# Altium PCB controller_V1.1.PcbDoc (part 6 of 6)
Units mm, origin at the board's own origin, x right, y up, seen from the top; angles counter-clockwise.
Board outline 150 x 150 mm, 2 copper layers (Top Layer, Bottom Layer); 287 components, 242 nets, 1096 pads, 5968 vias.
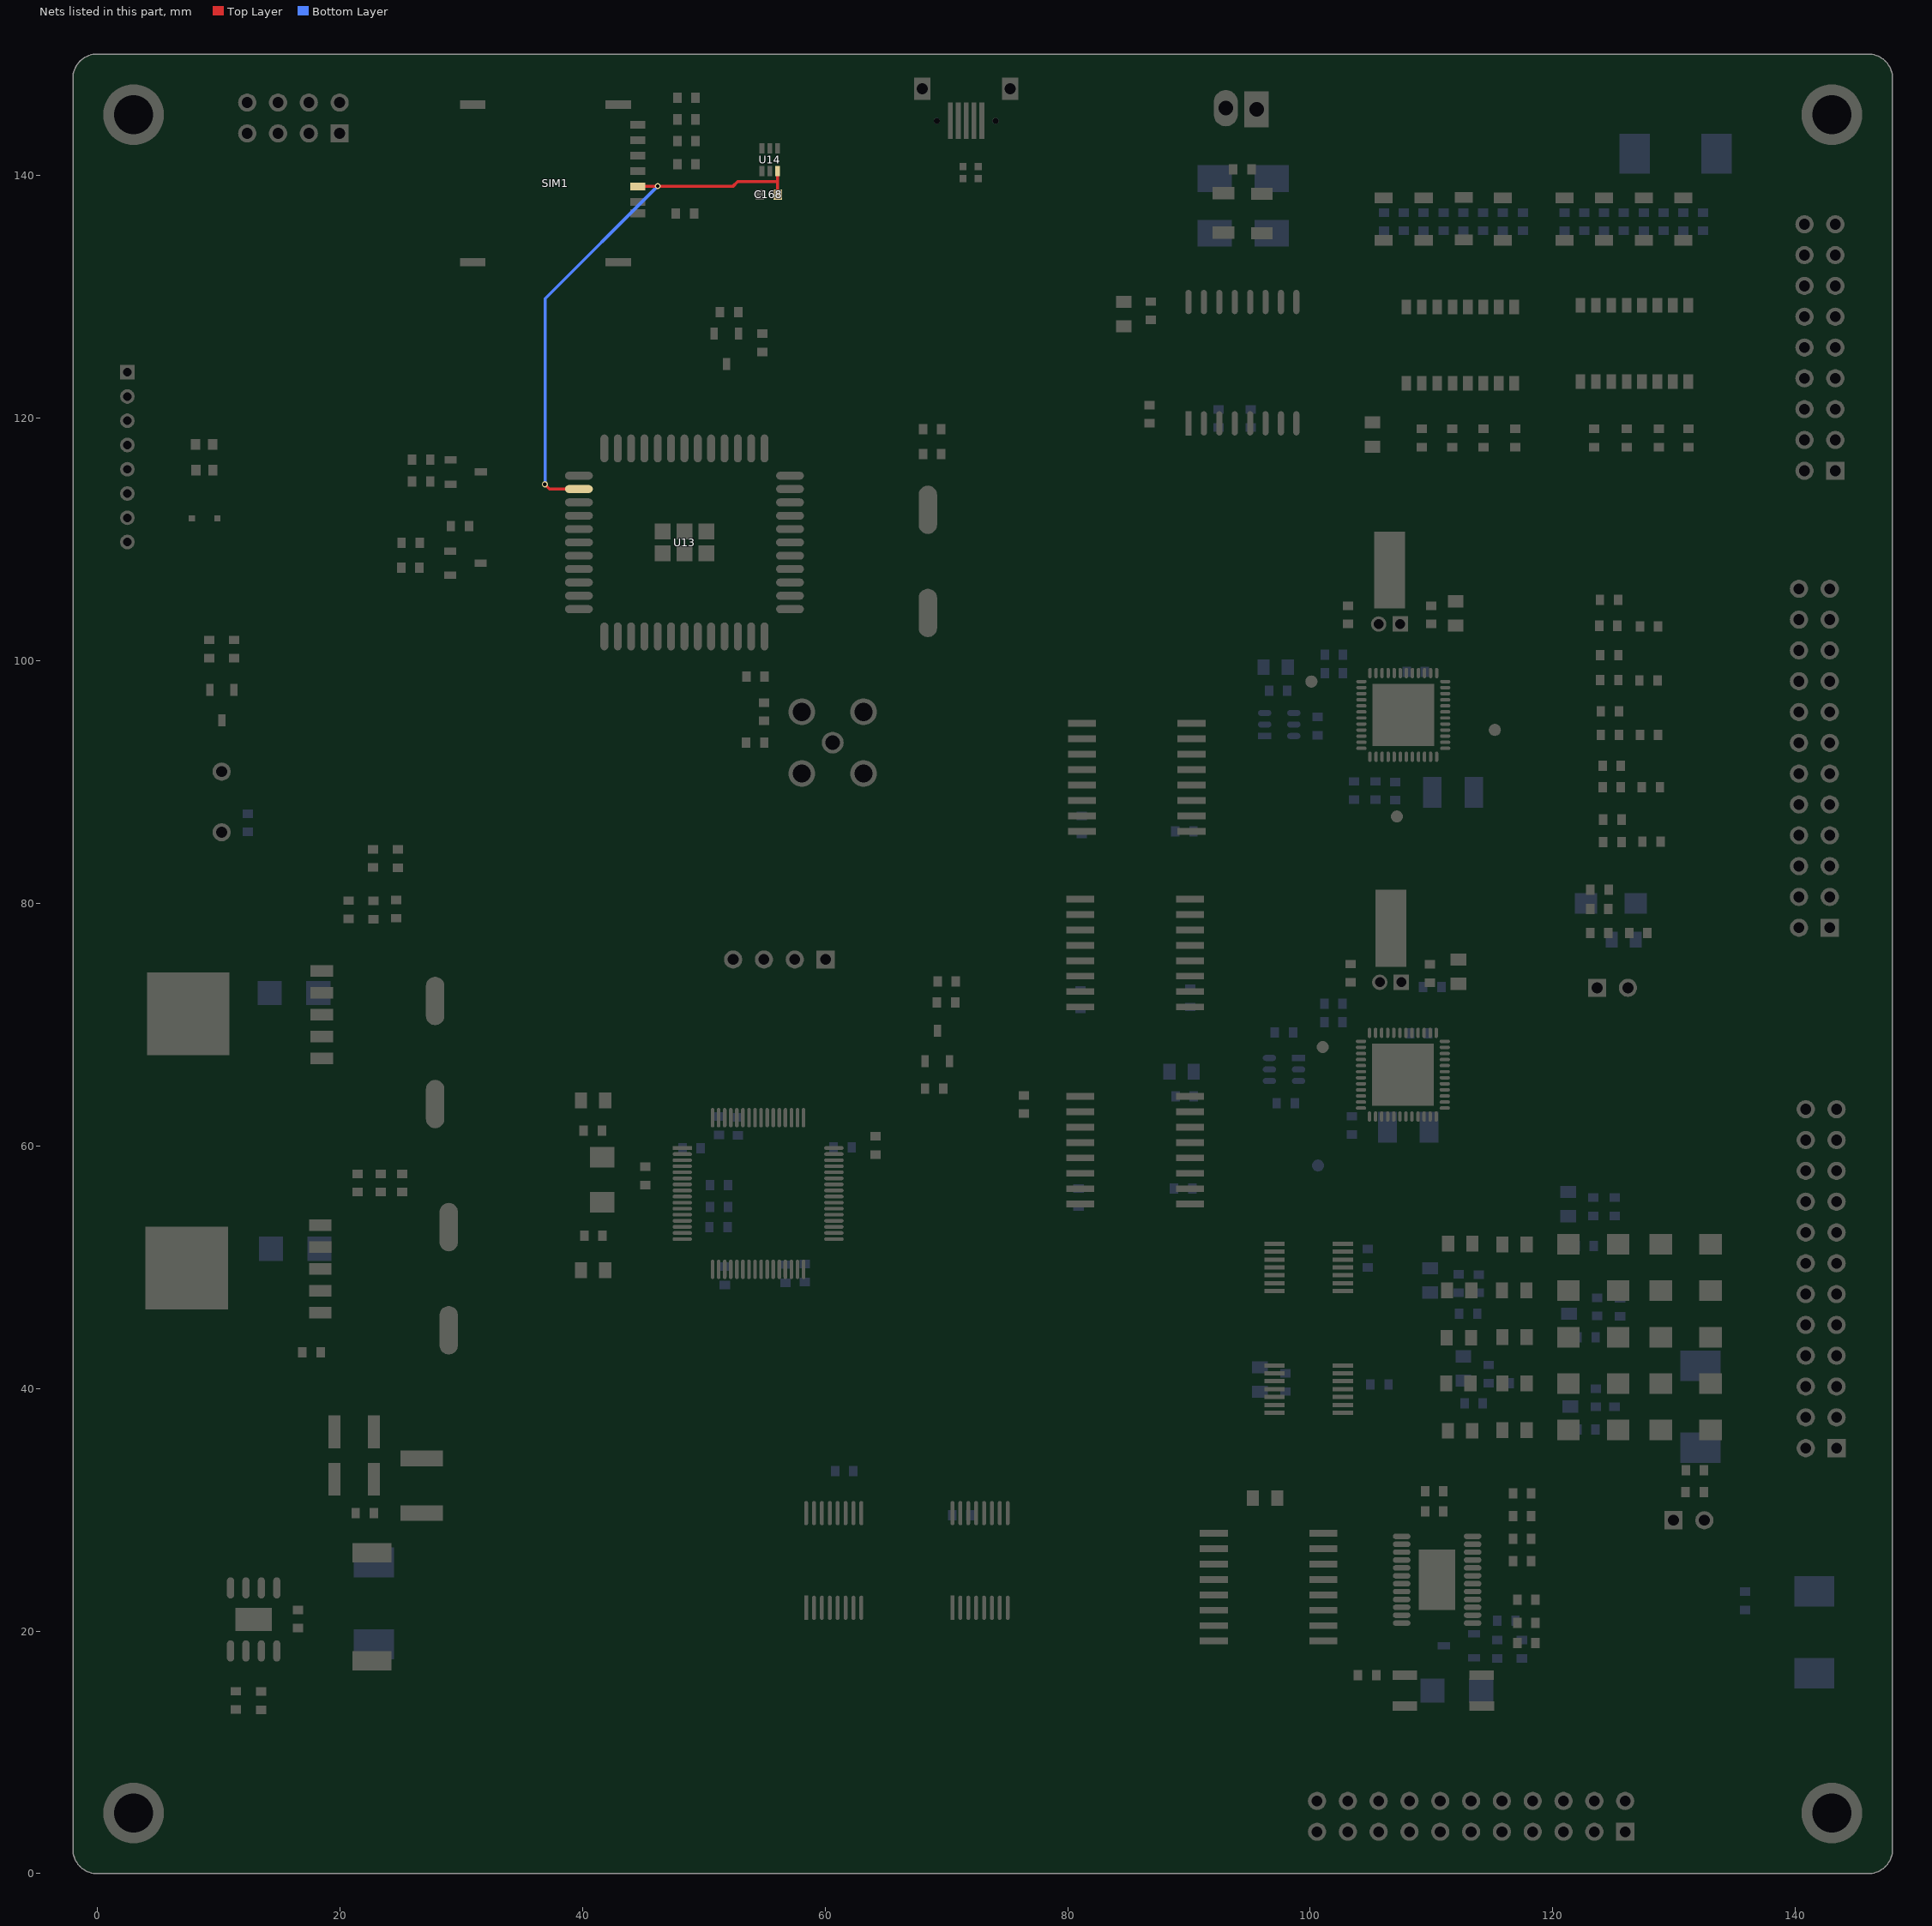
[diagram p6: the nets of this part, all layers, seen from the top]

## Via types
v1: diameter 0.508, hole 0.305, Top Layer to Bottom Layer, tented both sides, 5878 vias
v2: diameter 0.6, hole 0.3, Top Layer to Bottom Layer, 50 vias
v3: diameter 0.762, hole 0.508, Top Layer to Bottom Layer, tented both sides, 30 vias
v4: diameter 1.524, hole 1.016, Top Layer to Bottom Layer, tented both sides, 8 vias
v5: diameter 1.5, hole 1, Top Layer to Bottom Layer, 1 vias
v6: diameter 1.016, hole 0.762, Top Layer to Bottom Layer, tented both sides, 1 vias

## Nets (pads, with @x,y where several pads share a name; then routed paths per layer and width w, separated by ;. In a path a pad name is that pad's centre, name@x,y a point inside that pad or via, vN(x,y) a via of type N, cw(c..) or ccw(c..) an arc to the next point about the centre after c; other vN are vias at no path point) (continued)
VSIM: C168.2 SIM1.1 U13.14 U14.6 | length 45.1
  Top Layer w0.254: v1(36.906,114.529) 37.292,114.142 U13.14@39.712,114.142 ; SIM1.1@44.574,139.084 52.394,139.084 52.807,139.497 56.07,139.497 56.096,139.522 ; U14.6@56.096,140.359 56.096,139.522 ; C168.2@56.11,138.413 56.096,138.428 56.096,139.522
  Bottom Layer w0.254: v1@36.932,114.478 36.932,129.845 v1(46.203,139.116)
pads on no net: P8.23 P8.24 P21.3 P21.6 SIM1.0 SIM1.6 T1.1 T2.1 T3.1 T4.1 U1.3 U1.5 U2.12 U2.13 U2.14 U3.1 U3.2 U3.3 U3.12 U3.13 U3.14 U4.1 U4.2 U4.3 U4.4 U4.17 U4.18 U4.19 U4.41 U4.42 U4.43 U4.44 U4.45 U4.46 U4.47 U4.48 U10.5 U10.6 U10.11 U10.12 U11.6 U11.17 U11.18 U11.23 U13.5 U13.6 U13.8 U13.9 U13.19 U13.20 U13.21 U13.22 U13.23 U13.25 U13.26 U13.28 U13.29 U13.30 U13.31 U13.32 U13.33 U13.38 U13.39 U13.44 U13.96 U13.97 U13.98 U22.9 U22.15 U26.7 U44.2 U44.4 U44.8 U44.9 U44.10 U44.11 U51.2 U51.3 U54.17 U54.18 U54.19 U54.33 U54.34 U54.35 U54.36 U54.43 U54.44 U56.3 U56.5 USB.0 USB.6 USB.7

## Polygon pours and split planes (outlines as drawn)
GND on Top Layer "L1_TOP-No Net" (solid, remove dead copper, pour order 3): -62.662,169.189 -54.051,160.579 161.9,160.579 161.9,-20.904 161.036,-21.768 142.926,-3.658 -57.937,-3.658 -57.937,161.874 -58.369,162.306 -58.369,163.17
AGND on Top Layer "L1_TOP-No Net" (solid, remove dead copper, pour order 2): 155.956,161.874 90.246,161.874 82.398,154.026 83.287,153.137 83.287,128.702 83.287,125.349 101.905,125.349 103.175,125.349 103.175,126.746 103.175,134.112 103.175,136.931 135.001,136.931 135.001,108.534 111.582,108.534 92.304,108.534 89.586,105.816 86.462,102.692 86.462,92.558 86.462,41.097 92.913,34.646 96.241,31.318 96.241,24.181 96.241,11.963 104.902,11.963 108.331,11.963 108.331,-3.15 164.668,-3.15 166.472,-1.346 154.407,10.719 154.407,161.696
GND on Bottom Layer "L1_TOP-No Net" (solid, remove dead copper, pour order 5): -20.853,164.465 -44.145,141.173 -44.145,-19.609 185.191,-19.609 189.052,-23.47 182.575,-16.993 182.575,159.283 -15.697,159.283 -23.012,166.599
AGND on Bottom Layer "L1_TOP-No Net" (solid, remove dead copper, pour order 4): 155.956,161.874 90.246,161.874 82.398,154.026 83.287,153.137 83.287,128.702 83.287,125.349 101.905,125.349 103.175,125.349 103.175,126.746 103.175,134.112 103.175,136.931 135.001,136.931 135.001,108.534 111.582,108.534 92.304,108.534 89.586,105.816 86.462,102.692 86.462,92.558 86.462,41.097 92.913,34.646 96.241,31.318 96.241,24.181 96.241,11.963 104.902,11.963 108.331,11.963 108.331,-3.15 164.668,-3.15 166.472,-1.346 154.407,10.719 154.407,161.696

## Keep-outs
Keep-Out Layer:
  lines w0.127: -54.095,-212.675 ccw(c-52.095,-212.675) -52.095,-214.675 ; 419.386,-214.344 ccw(c419.386,-212.344) 421.386,-212.344
  lines w0.508: -1.492,2.33 ccw(c0.508,2.33) 0.508,0.33 ; -1.467,1.924 -1.455,147.834 cw(c0.229,147.834) 0.229,149.517 145.517,149.517 ; 0.203,0.33 145.549,0.388 ccw(c145.549,2.388) 147.549,2.388 ; 145.517,149.504 cw(c145.517,147.504) 147.517,147.504 ; 147.517,147.848 147.549,2.159

## Other copper
Top Layer:
  rectangle net NetC139_1: 20.777,14.122 24.74,18.517
  pour cut-out: 53.927,100.471 53.876,100.421 53.876,91.302 61.09,91.302 62.309,92.521 62.309,94.172 61.953,94.528 61.95,94.524 56.521,94.524 56.111,94.934 56.111,100.344 55.984,100.471
Bottom Layer:
  rectangle net NetC139_1: 20.396,14.021 24.74,20.218

## Silkscreen, mask and mechanical layers (free items; w line width, h text height)
Top Overlay:
  lines w0.508: 7.747,147.269 21.234,147.269
  text "485_B" at 88.29,148.717 h1.02 r270
  text "485_A" at 99.466,148.387 h1.02 r270
  text "SWDIO" at 57.048,73.329 h1.02 r270
  text "SWCLK" at 52.146,73.177 h1.02 r270
  text "3.3V" at 59.893,73.101 h1.02 r270
  text "GND" at 54.635,72.771 h1.02 r270
  text "24V" at 312.217,-30.226 h1.02
  text "DI4" at 312.064,-32.512 h1.02
  text "DI5" at 312.166,-34.976 h1.02
  text "DI6" at 312.09,-37.694 h1.02
  text "DI7" at 312.471,-40.208 h1.02
  text "DI0" at 312.598,-42.57 h1.02
  text "DI1" at 312.496,-45.187 h1.02
  text "DI2" at 312.496,-47.574 h1.02
  text "DI3" at 312.471,-49.809 h1.02
  text "24V" at 429.412,-52.375 h1.02
  text "G" at 312.928,-53.162 h1.02
  text "G" at 429.412,-54.661 h1.02
  text "PB8" at 313.08,-55.829 h1.02
  text "G" at 429.412,-57.099 h1.02
  text "PB8" at 313.08,-58.649 h1.02
  text "G" at 429.412,-59.69 h1.02
  text "G" at 313.03,-60.858 h1.02
  text "DI" at 434.442,-62.179 h1.02
  text "G" at 429.412,-62.357 h1.02
  text "PB9" at 313.08,-63.144 h1.02
  text "G" at 429.412,-64.821 h1.02
  text "PB9" at 313.08,-65.71 h1.02
  text "G" at 429.412,-67.31 h1.02
  text "G" at 313.004,-68.021 h1.02
  text "G" at 429.412,-69.825 h1.02
  text "PB3" at 313.08,-70.841 h1.02
  text "G" at 429.412,-71.984 h1.02
  text "PB3" at 313.08,-73.736 h1.02
  text "G" at 429.311,-75.184 h1.02
  text "G" at 313.106,-75.717 h1.02
  text "PB1" at 429.412,-77.902 h1.02
  text "PB11" at 313.08,-78.537 h1.02
  text "PB1" at 429.412,-80.594 h1.02
  text "PB11" at 313.08,-81.356 h1.02
  text "G" at 429.717,-82.931 h1.02
  text "G" at 313.03,-83.769 h1.02
  text "PB2" at 429.412,-85.192 h1.02
  text "PB12" at 313.08,-86.258 h1.02
  text "PB2" at 429.412,-87.63 h1.02
  text "PB12" at 313.08,-88.798 h1.02
  text "G" at 429.235,-89.916 h1.02
  text "G" at 313.004,-91.542 h1.02
  text "PB10" at 429.412,-92.659 h1.02
  text "PB13" at 313.08,-94.463 h1.02
  text "PB10" at 429.387,-95.199 h1.02
  text "PB13" at 313.08,-96.85 h1.02
  text "G" at 429.082,-97.587 h1.02
  text "PB4" at 429.412,-100.406 h1.02
  text "AI0" at 313.08,-100.559 h1.02
  text "AI1" at 313.08,-103.099 h1.02
  text "PB4" at 429.412,-103.48 h1.02
  text "AI2" at 313.08,-105.689 h1.02
  text "G" at 429.285,-105.766 h1.02
  text "water out T" at 437.363,-107.137 h1.02 r270
  text "PB5" at 429.412,-108.077 h1.02
  text "AI3" at 313.08,-108.433 h1.02
  text "AI4" at 313.08,-110.719 h1.02
  text "PB5" at 429.412,-110.922 h1.02
  text "AI5" at 313.08,-113.335 h1.02
  text "G" at 429.565,-113.513 h1.02
  text "AI6" at 313.08,-115.824 h1.02
  text "PB6" at 429.412,-116.561 h1.02
  text "AI7" at 313.08,-118.516 h1.02
  text "PB6" at 429.412,-119.075 h1.02
  text "AI8" at 313.08,-121.006 h1.02
  text "24V" at 429.412,-122.834 h1.02
  text "G" at 313.182,-123.698 h1.02
  text "24V" at 429.412,-125.349 h1.02
  text "AO" at 313.08,-126.086 h1.02
  text "24V" at 429.412,-127.889 h1.02
  text "24V" at 313.08,-128.727 h1.02
  text "24V" at 429.412,-130.404 h1.02
  text "24V" at 429.412,-132.969 h1.02
  text "R20" at 312.953,-133.121 h1.02
  text "R19" at 312.953,-135.077 h1.02
  text "24V" at 429.412,-135.433 h1.02
  text "R18" at 312.953,-137.617 h1.02
  text "24V" at 429.412,-138.151 h1.02
  text "R17" at 312.953,-140.259 h1.02
  text "24V" at 429.412,-140.564 h1.02
  text "R16" at 312.953,-142.646 h1.02
  text "24V" at 429.412,-143.129 h1.02
  text "R15" at 312.953,-145.212 h1.02
  text "G" at 429.412,-145.593 h1.02
  text "R14" at 312.953,-147.752 h1.02
  text "G" at 429.412,-147.93 h1.02
  text "AC_L" at -40.03,-149.784 h1.52
  text "R13" at 312.953,-150.241 h1.02
  text "G" at 429.412,-150.622 h1.02
  text "AC_N" at -40.259,-151.994 h1.52
  text "R12" at 312.953,-152.756 h1.02
  text "R11" at 312.953,-155.321 h1.02
  text "R10" at 312.953,-157.963 h1.02
  text "R9" at 312.953,-160.503 h1.02
  text "EARTH" at -41.859,-162.458 h1.52
  text "R8" at 312.953,-162.966 h1.02
  text "R7" at 312.953,-165.481 h1.02
  text "R6" at 312.953,-168.097 h1.02
  text "R5" at 312.953,-170.612 h1.02
  text "R4" at 423.291,-195.148 h1.02
  text "R3" at 423.291,-197.688 h1.02
  text "R2" at 423.291,-200.203 h1.02
  text "R1" at 423.291,-202.717 h1.02
Bottom Overlay:
  text "GND" at 7.595,123.139 h1.02
  text "LCD_TX" at 10.795,117.272 h1.02
  text "LCD_RX" at 10.947,115.316 h1.02
  text "5V" at 6.119,110.752 h1.02
  text "24V" at 299.234,-28.245 h1.02
  text "24V" at 290.551,-28.27 h1.02
  text "DI4" at 290.398,-30.556 h1.02
  text "G" at 297.612,-30.709 h1.02
  text "DI5" at 290.5,-33.02 h1.02
  text "G" at 297.713,-33.147 h1.02
  text "DI6" at 290.424,-35.738 h1.02
  text "G" at 297.866,-35.738 h1.02
  text "DI7" at 290.805,-38.252 h1.02
  text "G" at 297.891,-38.405 h1.02
  text "DI0" at 290.932,-40.615 h1.02
  text "G" at 297.891,-40.869 h1.02
  text "DI1" at 290.83,-43.231 h1.02
  text "G" at 297.917,-43.358 h1.02
  text "DI2" at 290.83,-45.618 h1.02
  text "G" at 297.967,-45.872 h1.02
  text "DI3" at 290.805,-47.854 h1.02
  text "G" at 298.044,-48.514 h1.02
  text "PB8" at 291.948,-54.305 h1.02
  text "PB1" at 299.209,-54.839 h1.02
  text "PB1" at 299.209,-57.277 h1.02
  text "PB8" at 291.973,-57.429 h1.02
  text "PB9" at 291.77,-62.357 h1.02
  text "PB2" at 299.209,-62.509 h1.02
  text "PB9" at 291.821,-64.592 h1.02
  text "PB2" at 299.209,-64.948 h1.02
  text "PB10" at 297.917,-69.139 h1.02 r90
  text "PB3" at 291.922,-70.231 h1.02
  text "PB3" at 291.998,-72.568 h1.02
  text "PB11" at 291.821,-77.597 h1.02
  text "PB4" at 299.209,-77.724 h1.02
  text "PB4" at 299.209,-80.315 h1.02
  text "PB11" at 291.897,-80.62 h1.02
  text "PB12" at 291.922,-85.09 h1.02
  text "PB5" at 299.209,-85.319 h1.02
  text "PB5" at 299.209,-87.808 h1.02
  text "PB12" at 292.024,-88.341 h1.02
  text "PB13" at 291.795,-92.913 h1.02
  text "PB6" at 299.209,-93.015 h1.02
  text "PB13" at 291.795,-95.301 h1.02
  text "PB6" at 299.209,-95.529 h1.02
  text "AI0" at 291.389,-99.009 h1.02
  text "24V" at 299.225,-99.289 h1.02
  text "AI1" at 291.363,-101.549 h1.02
  text "24V" at 299.225,-101.803 h1.02
  text "AI2" at 291.414,-104.14 h1.02
  text "24V" at 299.225,-104.343 h1.02
  text "24V" at 299.225,-106.858 h1.02
  text "AI3" at 291.414,-106.883 h1.02
  text "AI4" at 291.313,-109.169 h1.02
  text "24V" at 299.225,-109.423 h1.02
  text "AI5" at 291.236,-111.785 h1.02
  text "24V" at 299.225,-111.887 h1.02
  text "AI6" at 291.262,-114.275 h1.02
  text "24V" at 299.225,-114.605 h1.02
  text "AI7" at 291.313,-116.967 h1.02
  text "24V" at 299.225,-117.018 h1.02
  text "AI8" at 291.973,-119.456 h1.02
  text "24V" at 299.225,-119.583 h1.02
  text "G" at 297.739,-122.047 h1.02
  text "G" at 297.713,-124.384 h1.02
  text "AO" at 291.795,-124.536 h1.02
  text "G" at 297.917,-127.076 h1.02
  text "24V" at 291.77,-127.178 h1.02
  text "R20" at 291.922,-131.851 h1.02
  text "R19" at 299.225,-134.62 h1.02
  text "R18" at 299.225,-137.16 h1.02
  text "R17" at 299.225,-139.802 h1.02
  text "R16" at 298.983,-142.189 h1.02
  text "R15" at 299.225,-144.755 h1.02
  text "R14" at 299.225,-147.295 h1.02
  text "R13" at 299.225,-149.784 h1.02
  text "R12" at 298.983,-152.298 h1.02
  text "R11" at 298.729,-154.864 h1.02
  text "R10" at 299.225,-157.505 h1.02
  text "R9" at 298.323,-160.045 h1.02
  text "R8" at 298.425,-162.509 h1.02
  text "R7" at 298.425,-165.024 h1.02
  text "R6" at 298.501,-167.64 h1.02
  text "R5" at 298.348,-170.155 h1.02
  text "R4" at 420.243,-195.986 h1.02
  text "R3" at 420.268,-198.526 h1.02
  text "R2" at 420.294,-201.041 h1.02
  text "R1" at 420.091,-203.556 h1.02
Mechanical 1:
  lines w0.127: -54.282,-212.827 ccw(c-52.282,-212.827) -52.282,-214.827 ; 227.718,-214.827 ccw(c227.718,-212.827) 229.718,-212.827
  lines w0.508: -2,2 ccw(c0,2) 0,0 146,0 ccw(c146,2) 148,2 148,148 ccw(c146,148) 146,150 0,150 ccw(c0,148) -2,148 -2,2

## Dimensions
-52.51,-214.827 to -52.301,-39.827 on Keep-Out Layer
-54.282,-212.827 to 229.718,-212.827 on Keep-Out Layer

## Text inside footprints (layer, text, board x,y; h text height)
LS1: Top Overlay "+" at 8.458,85.494 h0.76
P5: Bottom Overlay "1" at 128.499,2.946 h1.27; Bottom Overlay "2" at 128.499,5.486 h1.27; Bottom Overlay "21" at 99.035,2.946 h1.27; Bottom Overlay "22" at 99.035,5.486 h1.27
P7: Bottom Overlay "8" at 10.846,145.491 h1.27; Bottom Overlay "7" at 10.846,142.951 h1.27; Bottom Overlay "1" at 22.022,142.951 h1.27; Bottom Overlay "2" at 22.53,145.491 h1.27